# Altium PCB iMX6 Rex Dev BB Template_PCB.PcbDoc
Units mm, origin at the board's own origin, x right, y up, seen from the top; angles counter-clockwise.
Board outline 135 x 110 mm, 6 copper layers (L1, L2, L3, L4 (PWR), L5, L6), stack 1.542 mm thick; 12 components, 114 nets, 146 pads, 0 vias.
Unrouted connection lines stored in the file: 23.
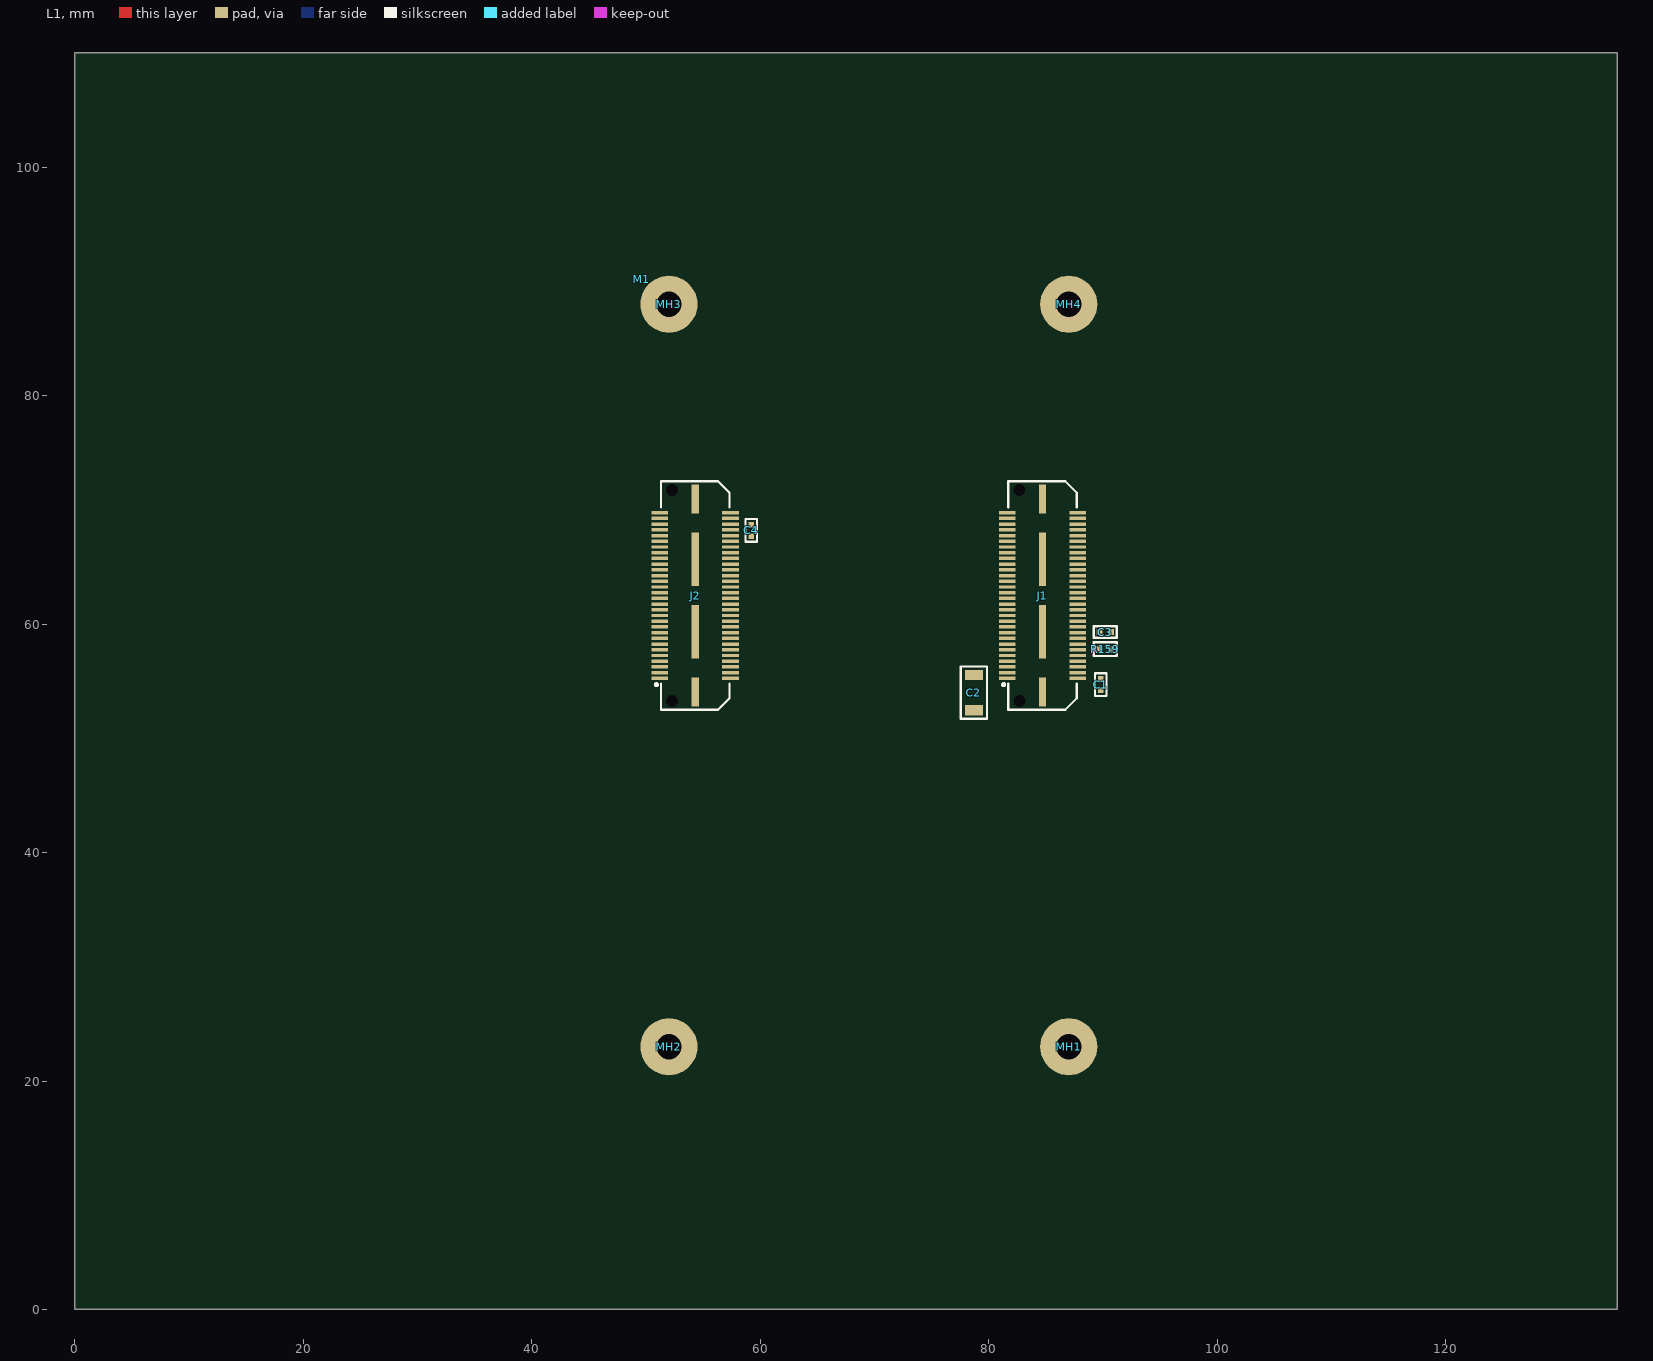
[diagram p0: L1 view]
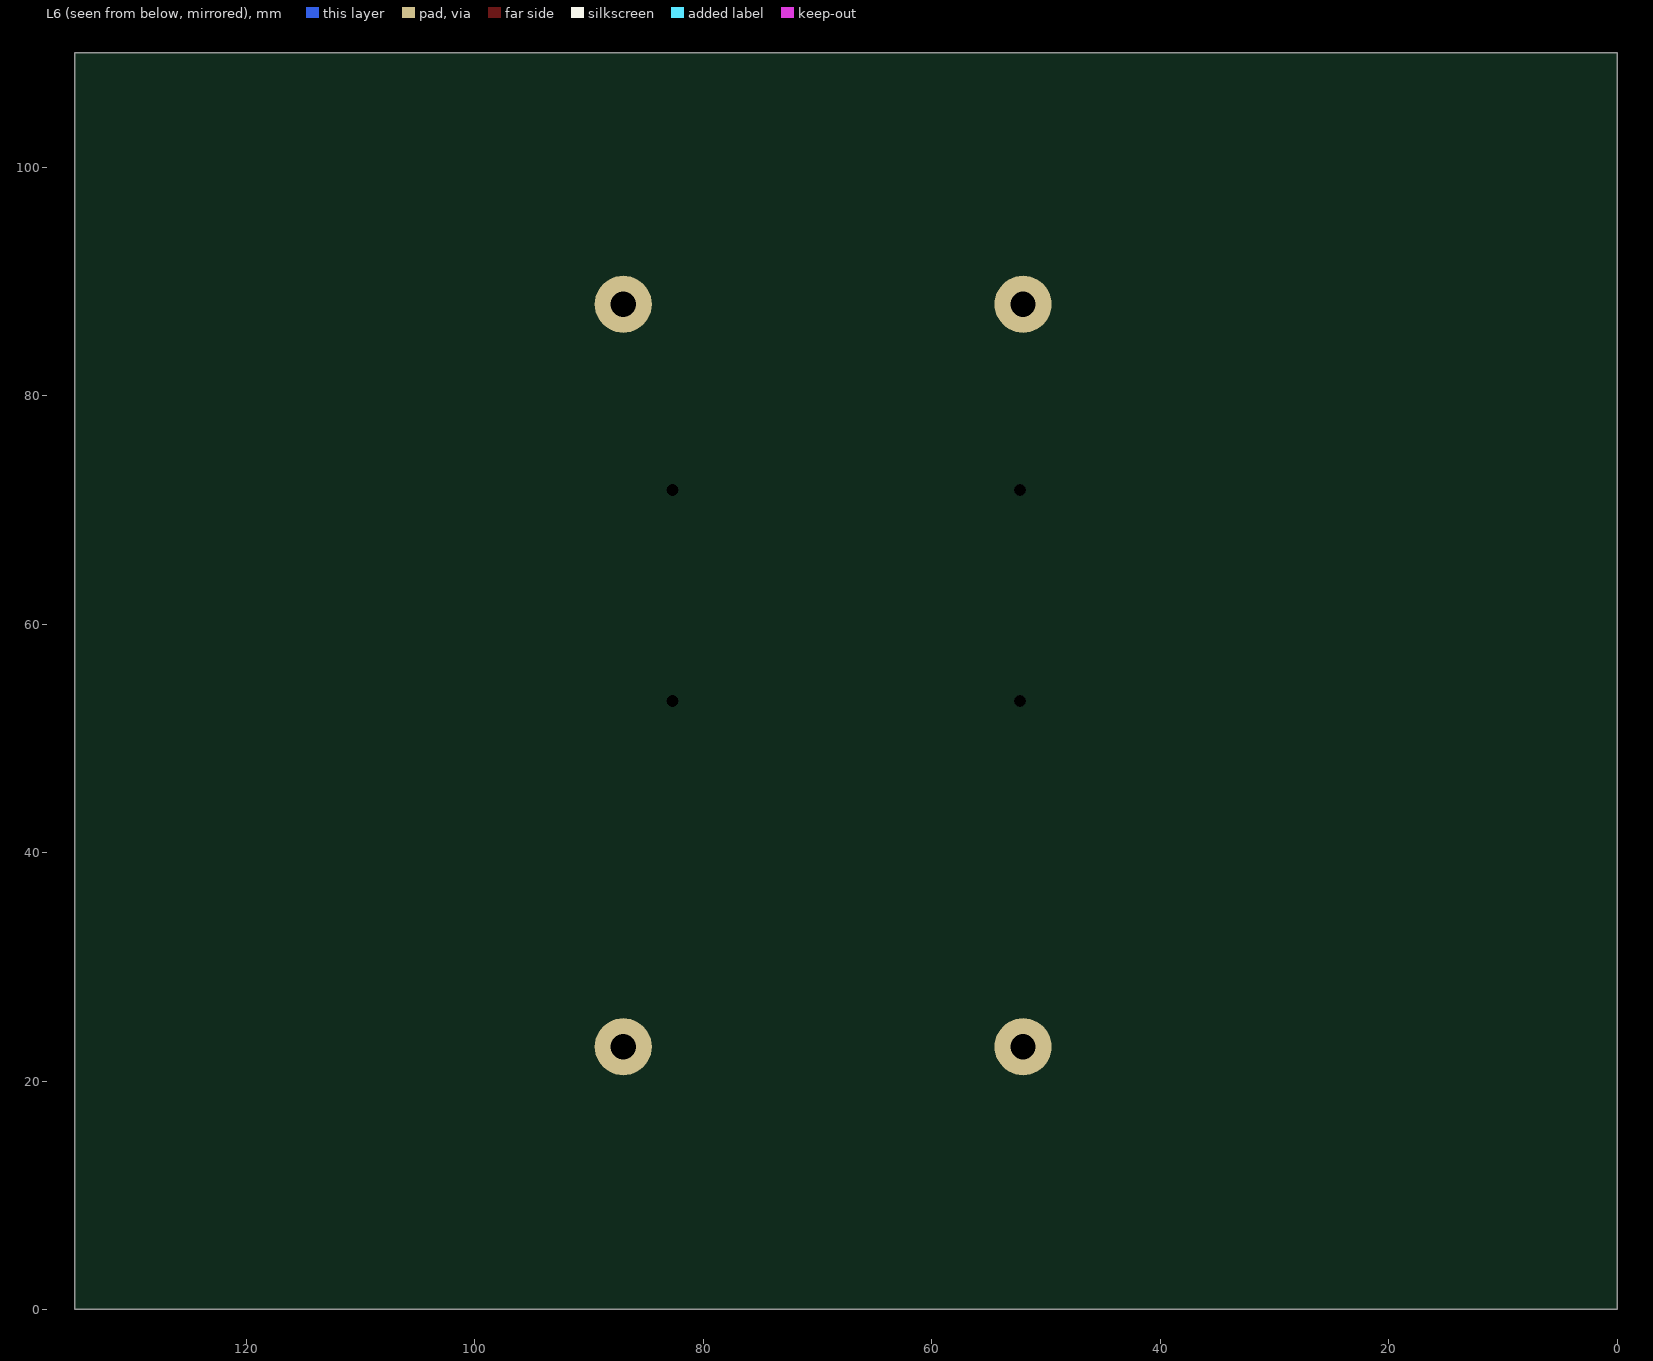
[diagram p1: L6 view, seen from below]
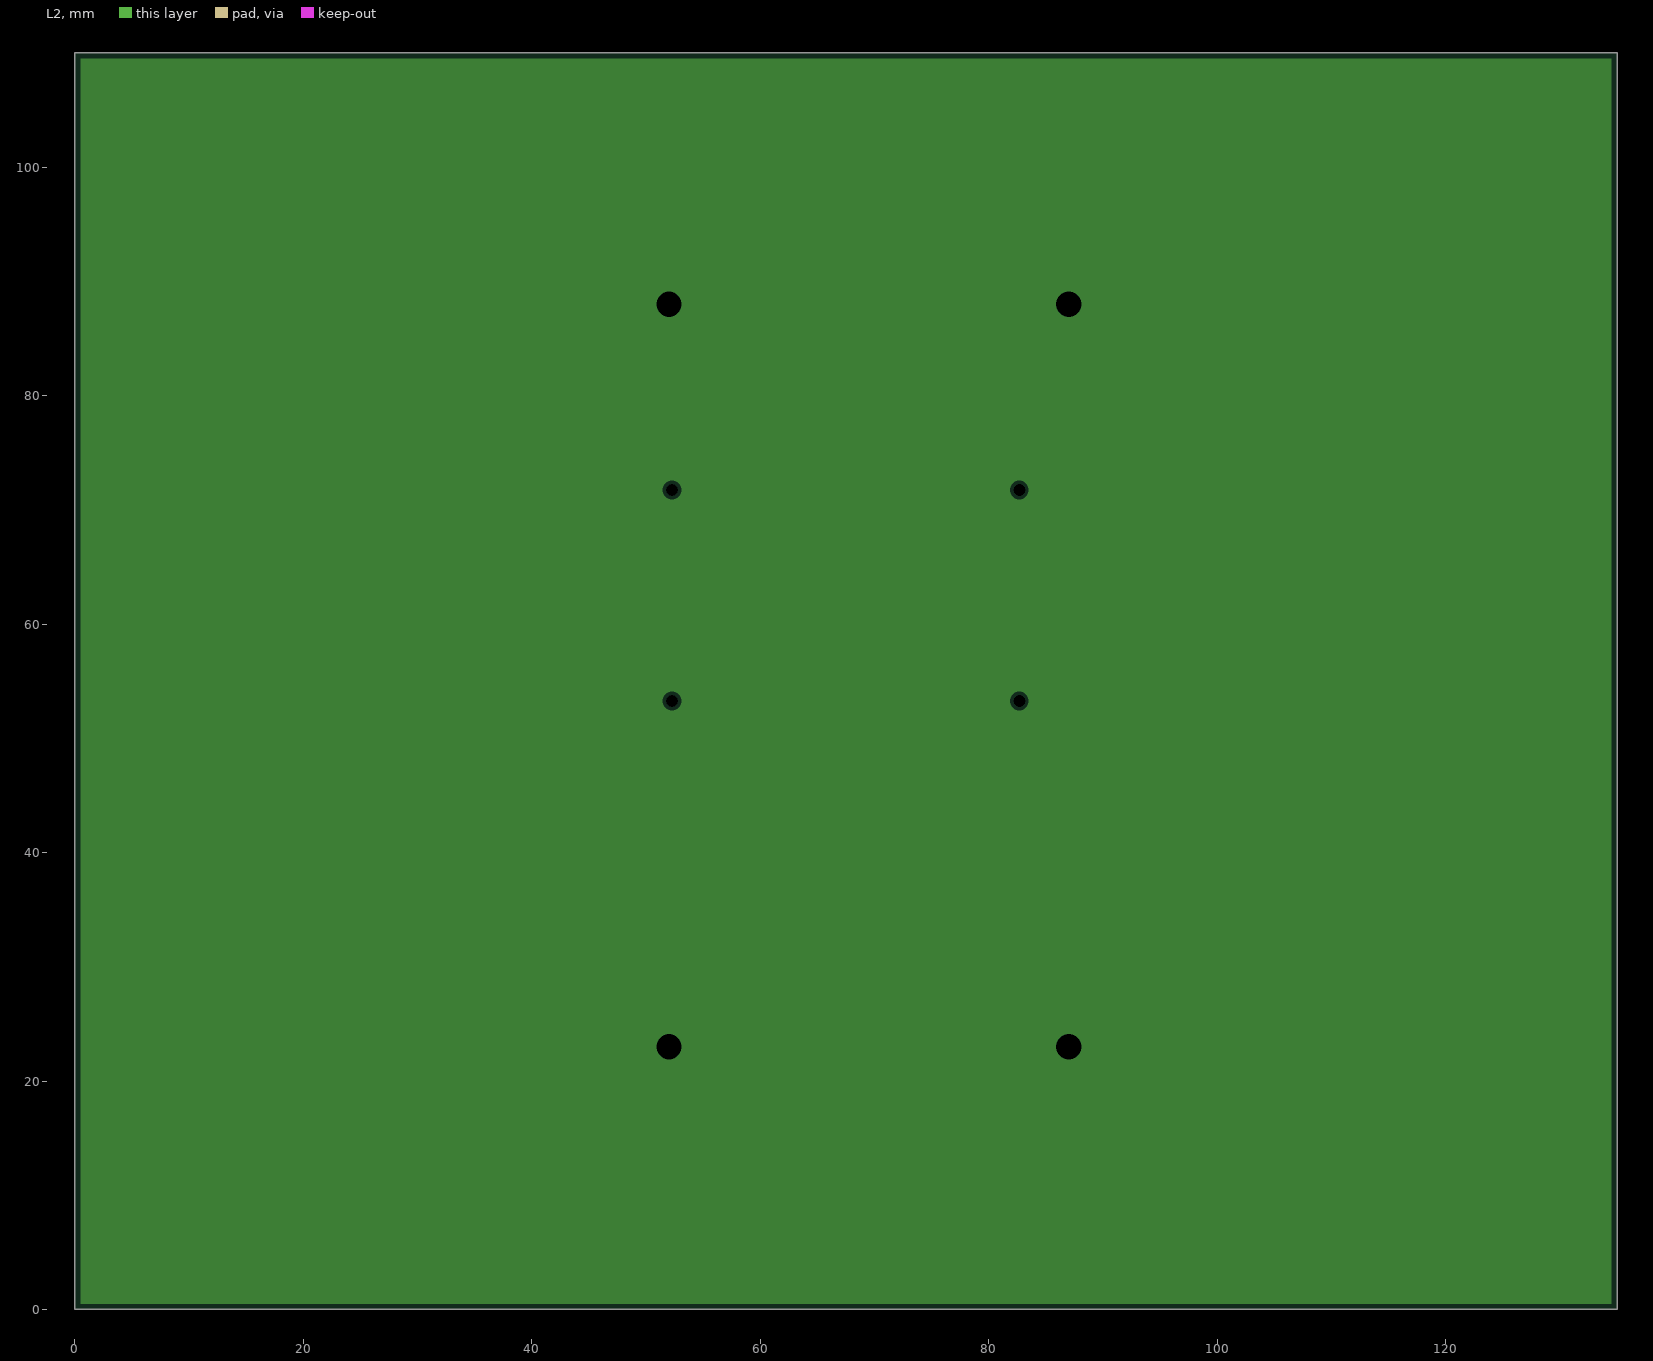
[diagram p2: L2, clearances drawn from the general rule]
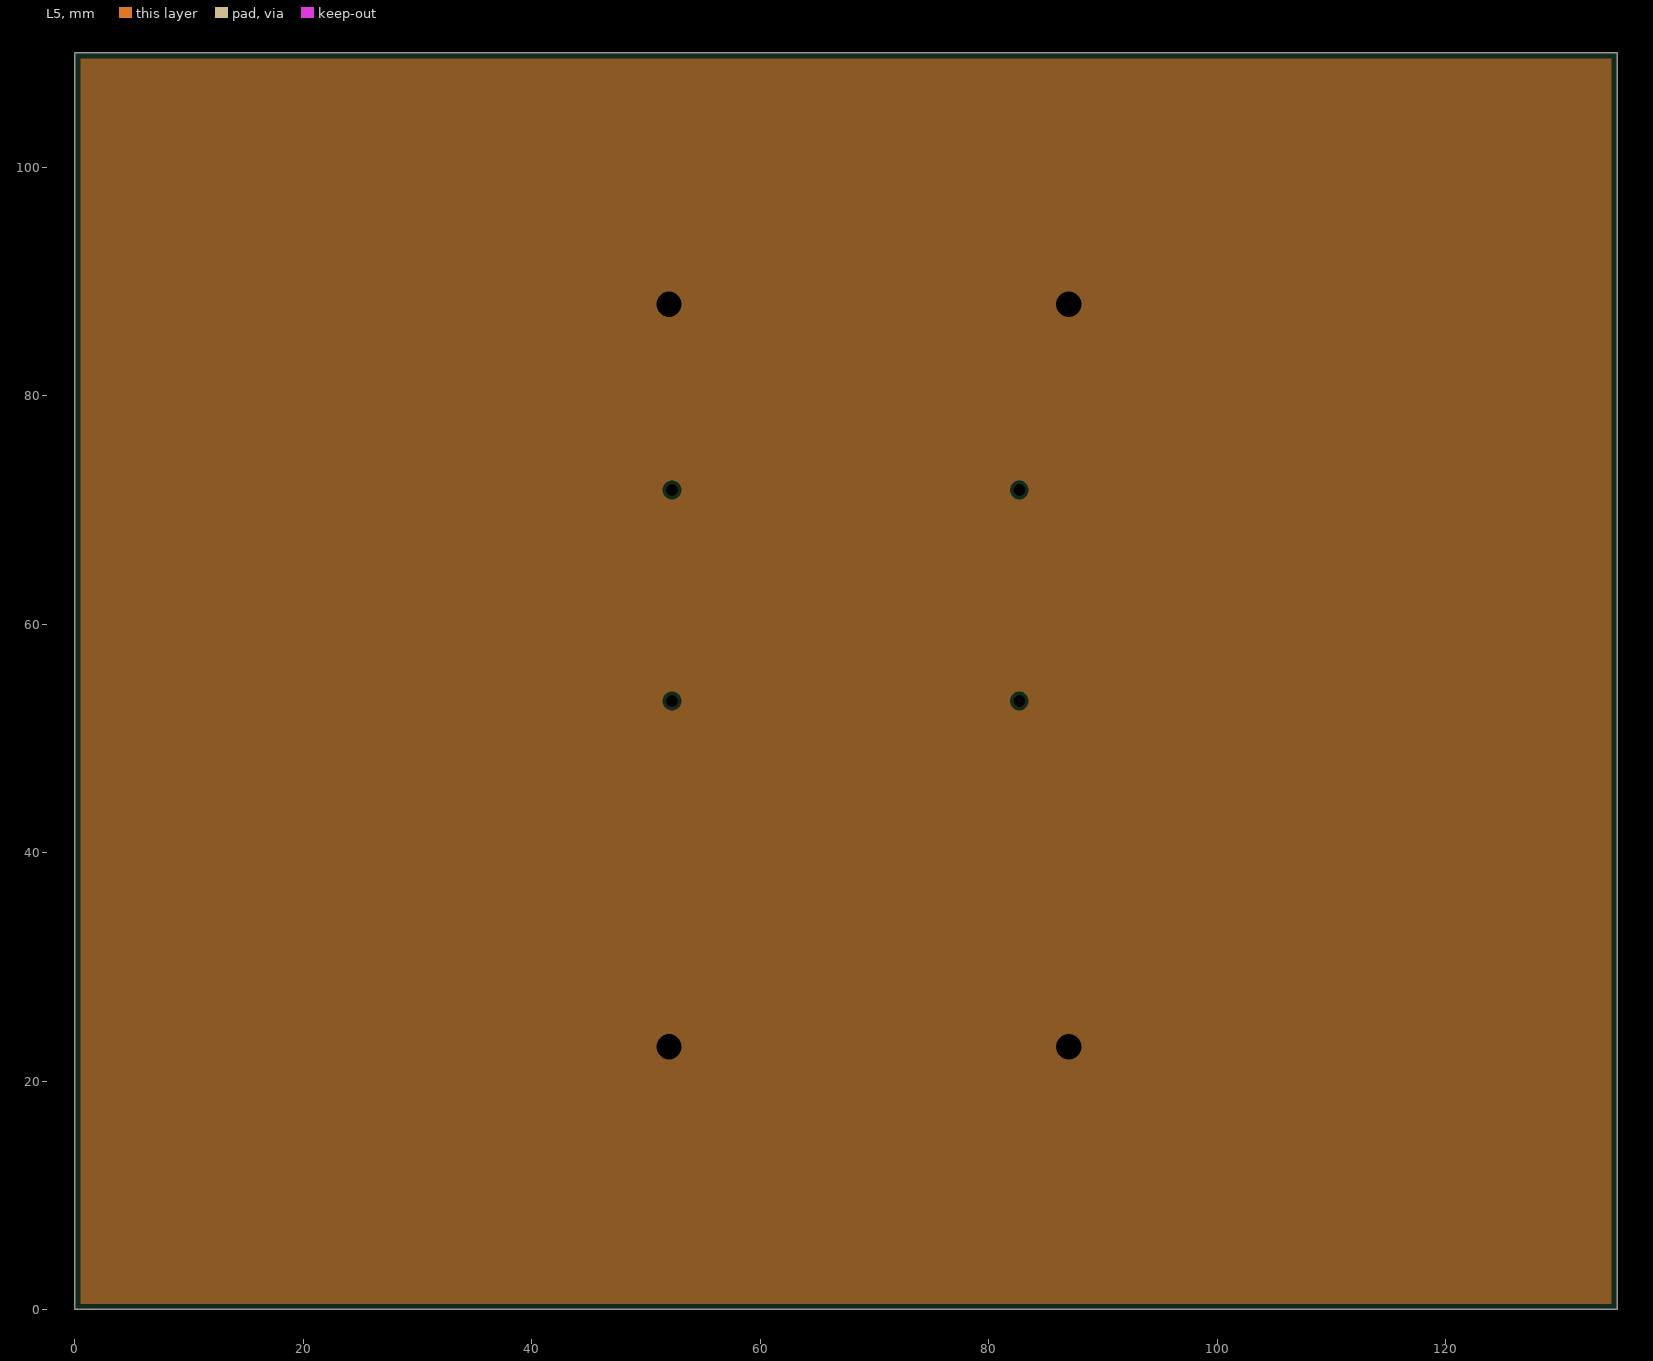
[diagram p3: L5, clearances drawn from the general rule]

## Layer stack, top to bottom
L1: signal copper 0.018
Dielectric: core 0.1725, DE 104 ML, Dk 4.4
L2: plane copper 0.018, net GND
Dielectric: prepreg 0.196, DE 104 ML, Dk 4.4
L3: signal copper 0.018
Dielectric: core 0.697, DE 104 ML, Dk 4.4
L4 (PWR): signal copper 0.018
Dielectric: prepreg 0.196, DE 104 ML, Dk 4.4
L5: plane copper 0.018, net GND
Dielectric: core 0.1725, DE 104 ML, Dk 4.4
L6: signal copper 0.018

## Board outline
0,110 0,0 135,0 135,110 0,110

## Design rules (kind name [scope] priority, off if disabled: settings)
Clearance "Poly PWR to Via" [IsRegion AND OnLayer('L4 (PWR)') vs IsVia] p1: gap=0.15
Clearance "Poly to Poly" [IsRegion AND OnLayer('L4 (PWR)') vs IsRegion] p2: gap=0.4
Clearance [All] p3: gap=0.15
ComponentClearance "MH5 to FID4" [All] p1: gap=0 collisioncheckmode=3 verticalgap=0 showdistances=FALSE
ComponentClearance "DB9 to FID1" [InComponent('J30') vs InComponent('FID1')] p2: gap=0 collisioncheckmode=3 verticalgap=0 showdistances=FALSE
ComponentClearance "3D model Module" [InComponent('M1') vs InComponent('J1') or InComponent('J2')] p3: gap=0 collisioncheckmode=3 verticalgap=0 showdistances=FALSE
ComponentClearance "3D model mPCIe 1 to Battery" [InComponent('CR1') vs InComponent('J32')] p4: gap=0 collisioncheckmode=3 verticalgap=0 showdistances=FALSE
ComponentClearance "CFAST locker" [InComponent('CFAST1') vs InComponent('J15')] p5: gap=0 collisioncheckmode=3 verticalgap=0 showdistances=FALSE
ComponentClearance "3D model mPCIe 2" [InComponent('CR2') vs InComponent('J9') or InComponent('J8')] p6: gap=0 collisioncheckmode=3 verticalgap=0 showdistances=FALSE
ComponentClearance "3D model mPCIe 1" [InComponent('CR1') vs InComponent('J4') or InComponent('J6')] p7: gap=0 collisioncheckmode=3 verticalgap=0 showdistances=FALSE
ComponentClearance "res SATA_TX_P" [InComponent('R42') vs InComponent('R43')] p8: gap=0 collisioncheckmode=3 verticalgap=0.254 showdistances=FALSE
ComponentClearance "res SATA_TX_N" [InComponent('R40') vs InComponent('R41')] p9: gap=0 collisioncheckmode=3 verticalgap=0.254 showdistances=FALSE
ComponentClearance "res SATA_RX_P" [InComponent('R38') vs InComponent('R39')] p10: gap=0 collisioncheckmode=3 verticalgap=0.254 showdistances=FALSE
ComponentClearance "res SATA_RX_N" [InComponent('R36') vs InComponent('R37')] p11: gap=0 collisioncheckmode=3 verticalgap=0.254 showdistances=FALSE
ComponentClearance "res USB1_P" [InComponent('R68') vs InComponent('R69')] p12: gap=0 collisioncheckmode=3 verticalgap=0.254 showdistances=FALSE
ComponentClearance "res USB1_N" [InComponent('R64') vs InComponent('R66')] p13: gap=0 collisioncheckmode=3 verticalgap=0.254 showdistances=FALSE
ComponentClearance "res USB0_P" [InComponent('R65') vs InComponent('R67')] p14: gap=0 collisioncheckmode=3 verticalgap=0.254 showdistances=FALSE
ComponentClearance "res USB0_N" [InComponent('R62') vs InComponent('R63')] p15: gap=0 collisioncheckmode=3 verticalgap=0.254 showdistances=FALSE
ComponentClearance "res PCIE_TX_P" [InComponent('R14') vs InComponent('R16')] p16: gap=0 collisioncheckmode=3 verticalgap=0.254 showdistances=FALSE
ComponentClearance "res PCIE_TX_N" [InComponent('R10') vs InComponent('R12')] p17: gap=0 collisioncheckmode=3 verticalgap=0.254 showdistances=FALSE
ComponentClearance "res PCIE_RX_P" [InComponent('R8') vs InComponent('R9')] p18: gap=0 collisioncheckmode=3 verticalgap=0.254 showdistances=FALSE
ComponentClearance "res PCIE_RX_N" [InComponent('R5') vs InComponent('R7')] p19: gap=0 collisioncheckmode=3 verticalgap=0.254 showdistances=FALSE
ComponentClearance "res CLK_P" [InComponent('R3') vs InComponent('R4')] p20: gap=0 collisioncheckmode=3 verticalgap=0.254 showdistances=FALSE
ComponentClearance "res CLK_N" [InComponent('R2') vs InComponent('R1')] p21: gap=0 collisioncheckmode=3 verticalgap=0.254 showdistances=FALSE
ComponentClearance [All] p22: gap=0.2 collisioncheckmode=3 verticalgap=0.2 showdistances=FALSE
DiffPairsRouting DiffPair_DIFF100DiffPairsRouting [InDifferentialPairClass('DIFF100')] p1: maxlimit=0.501 minlimit=0.399 mostfreqgap=0.5 toplayer_maxgap=0.401 toplayer_prefgap=0.4 midlayer1_mingap=0.499 midlayer2_mingap=0.4 midlayer2_maxgap=0.4 midlayer2_prefgap=0.4 bottomlayer_maxgap=0.401 bottomlayer_prefgap=0.4 maxuncoupledlength=18.7
DiffPairsRouting DiffPair_DIFF90DiffPairsRouting [InDifferentialPairClass('DIFF90')] p2: maxlimit=0.251 minlimit=0.199 mostfreqgap=0.25 toplayer_maxgap=0.201 toplayer_prefgap=0.2 midlayer1_mingap=0.249 midlayer2_mingap=0.2 midlayer2_maxgap=0.2 midlayer2_prefgap=0.2 bottomlayer_maxgap=0.201 bottomlayer_prefgap=0.2 maxuncoupledlength=7.8
DiffPairsRouting [All] p3: maxlimit=0.2 minlimit=0.2 mostfreqgap=0.2 maxuncoupledlength=12.7
HoleSize [All] p1: absolutevalues=TRUE maxlimit=10 minlimit=0.2 maxpercent=80.000 minpercent=20.000
MatchedLengths DiffPair_DIFF100MatchedLengths [InDifferentialPairClass('DIFF100')] p1: tolerance=0.127 checknetsindiffpair=TRUE checkdiffpairvsdiffpair=FALSE checkothers=FALSE
MatchedLengths DiffPair_DIFF90MatchedLengths [InDifferentialPairClass('DIFF90')] p2: tolerance=0.127 checknetsindiffpair=TRUE checkdiffpairvsdiffpair=FALSE checkothers=FALSE
MinimumSolderMaskSliver [All] p1: minsoldermaskwidth=0.1
PlaneClearance [All] p1: clearance=0.3
PlaneConnect "GND to PAD" [(InNet('GND') and IsPad)] p1: planeconnectstyle=Relief reliefexpansion=0.3 reliefentries=4 reliefconductorwidth=0.5 reliefairgap=0.2
PlaneConnect [All] p2: planeconnectstyle=Direct reliefexpansion=0.2 reliefentries=4 reliefconductorwidth=0.3 reliefairgap=0.2
PolygonConnect [All] p1: connectstyle=Direct reliefconductorwidth=0.254 reliefentries=4 polygonreliefangle="90 Angle" airgapwidth=0.254
RoutingVias [All] p1: holewidth=0.2 width=0.45 viastyle="Through Hole" minholewidth=0.2 minwidth=0.45 maxholewidth=0.5 maxwidth=1
ShortCircuit "J15-H3 to J15-H4" [(Name = 'J15-H3') vs (Name = 'J15-H4')] p1: allowed=TRUE
ShortCircuit "J15-H1 to J15-H2" [(Name = 'J15-H1') vs (Name = 'J15-H2')] p2: allowed=TRUE
ShortCircuit [All] p3: allowed=FALSE
SilkToSilkClearance [All] p1: silktosilkclearance=0.1
SilkscreenOverComponentPads [All] p1: minsilkscreentomaskgap=0.1
SolderMaskExpansion [All] p1: expansion=0.102
Width DiffPair_DIFF100Width [InDifferentialPairClass('DIFF100')] p1: maxlimit=0.25 minlimit=0.2 preferedwidth=0.25 toplayer_minwidth=0.25 midlayer1_maxwidth=0.2 midlayer1_prefwidth=0.2 midlayer2_minwidth=0.25 bottomlayer_minwidth=0.25 minimp=50.000000 maximp=50.000000 favimp=50.000000
Width DiffPair_DIFF90Width [InDifferentialPairClass('DIFF90')] p2: maxlimit=0.25 minlimit=0.2 preferedwidth=0.25 toplayer_minwidth=0.25 midlayer1_maxwidth=0.2 midlayer1_prefwidth=0.2 midlayer2_minwidth=0.25 bottomlayer_minwidth=0.25 minimp=50.000000 maximp=50.000000 favimp=50.000000
Width "Width Power" [InNet('+VIN') OR InNet('+5V') OR InNet('+3V3') OR InNet('+1V5') OR InNet('+12V_ATX')] p3: maxlimit=4 minlimit=0.2 preferedwidth=0.4
Width "Width Ground" [InNet('GND')] p4: maxlimit=40 minlimit=0.2 preferedwidth=0.4
Width [All] p5: maxlimit=2 minlimit=0.2 preferedwidth=0.25
19 further rules are at their usual default settings.

## Classes and differential pairs
net class uSD2: SD2_DATA4 SD2_DATA5 SD2_DATA6 SD2_DATA7
differential pair class DIFF90: MPCIE1_RX MPCIE1_TX PCIE_CON_RX PCIE_CON_TX PCIE_RX PCIE_TX USB0 USB1 USB1_CON USB1_L USB_MPCIE1 USB_MPCIE1_CON USB_MPCIE2 USB_MPCIE2_CON USB_OTG USB_OTG_CON USB_UP USBDN1 USBDN1_CON USBDN2 USBDN2_CON USBDN3 USBDN3_CON
differential pair class DIFF100: CLK1 HDMI_CLK HDMI_D0 HDMI_D1 HDMI_D2 LVDS0_CLK LVDS0_TX0 LVDS0_TX1 LVDS0_TX2 LVDS0_TX3 MPCIE1_CLK1 MX0 MX1 MX2 MX3 PCIE_CON_CLK1 SATA_CFAST_RX SATA_CFAST_TX SATA_CON_RX SATA_CON_TX SATA_RX SATA_TX TRD0 TRD1 TRD2 TRD3

## Components (designator, comment, footprint, x,y, rotation, side; value= is the part's Value field where it differs from the comment)
C1 "100n" C0402 89.8,54.7 r90 top
C2 "10uF" C1206 78.7,54 r270 top
C3 "100n" C0402 90.2,59.3 r0 top
C4 "1u" C0402 59.2,68.2 r90 top
J1 "QTH-030-01-L-D-A" QTH-030-01-L-D-A 84.7,62.5 r180 top
J2 "QTH-030-01-L-D-A" QTH-030-01-L-D-A 54.3,62.5 r180 top
M1 "iMX6 Rex Module V1I1 3D" "IMX6 REX MODULE 3D" 49.6,90.2 r270 top
MH1 "MH_5MMC_2.2MMD" MH_5MMD_2.2MMD 87,23 r0 top
MH2 "MH_5MMC_2.2MMD" MH_5MMD_2.2MMD 52,23 r0 top
MH3 "MH_5MMC_2.2MMD" MH_5MMD_2.2MMD 52,88 r0 top
MH4 "MH_5MMC_2.2MMD" MH_5MMD_2.2MMD 87,88 r0 top
R159 "0R" R0402 90.2,57.8 r0 top

## Footprints (in the part's own frame and the unit in brackets; to place one, negate y for a bottom-side part, rotate by r counter-clockwise, add the part's x,y. Pads: shape width x height; smd on the part's side, far side on the other; paste and mask are expansions set on the pad)
C0402 [mm]
  rect 0.5x0.5 smd: 1(-0.5,0) 2(0.5,0)
  silkscreen extent -1,-0.5 1,0.5, body extent -0.5,-0.25 0.5,0.25, height 0.56
C1206 [mm]
  rect 0.9x1.6 smd: 1(-1.55,0) 2(1.55,0)
  silkscreen extent -2.29,-1.14 2.29,1.14, body extent -1.6,-0.8 1.6,0.8, height 1.8
"IMX6 REX MODULE 3D" [mm] ".Creator MM"
  body extent 0,0 70,40, height 9.6
MH_5MMD_2.2MMD [mm]
  round 5 / inner round 3.683 / far side round 5 hole 2.2: 1(0,0)
QTH-030-01-L-D-A [mm]
  rect 1.45x0.3 smd mask+0.025: 1(3.09,7.25) 2(-3.09,7.25) 3(3.09,6.75) 4(-3.09,6.75) 5(3.09,6.25) 6(-3.09,6.25) 7(3.09,5.75) 8(-3.09,5.75) 9(3.09,5.25) 10(-3.09,5.25) 11(3.09,4.75) 12(-3.09,4.75) 13(3.09,4.25) 14(-3.09,4.25) 15(3.09,3.75) 16(-3.09,3.75) 17(3.09,3.25) 18(-3.09,3.25) 19(3.09,2.75) 20(-3.09,2.75) 21(3.09,2.25) 22(-3.09,2.25) 23(3.09,1.75) 24(-3.09,1.75) 25(3.09,1.25) 26(-3.09,1.25) 27(3.09,0.75) 28(-3.09,0.75) 29(3.09,0.25) 30(-3.09,0.25) 31(3.09,-0.25) 32(-3.09,-0.25) 33(3.09,-0.75) 34(-3.09,-0.75) 35(3.09,-1.25) 36(-3.09,-1.25) 37(3.09,-1.75) 38(-3.09,-1.75) 39(3.09,-2.25) 40(-3.09,-2.25) 41(3.09,-2.75) 42(-3.09,-2.75) 43(3.09,-3.25) 44(-3.09,-3.25) 45(3.09,-3.75) 46(-3.09,-3.75) 47(3.09,-4.25) 48(-3.09,-4.25) 49(3.09,-4.75) 50(-3.09,-4.75) 51(3.09,-5.25) 52(-3.09,-5.25) 53(3.09,-5.75) 54(-3.09,-5.75) 55(3.09,-6.25) 56(-3.09,-6.25) 57(3.09,-6.75) 58(-3.09,-6.75) 59(3.09,-7.25) 60(-3.09,-7.25)
  rect 0.64x2.54 smd mask+0.025: 61(0,8.445) 64(0,-8.445)
  rect 0.64x4.7 smd mask+0.025: 62(0,3.175) 63(0,-3.175)
  round 0 hole 1.05 unplated: 65(2.03,-9.24) 66(2.03,9.24)
  silkscreen extent -3,-10 3.5,10, body extent -3.55,-10 3.56,10, height 4.26
R0402 [mm]
  rect 0.5x0.6 smd: 1(-0.5,0) 2(0.5,0)
  silkscreen extent -1,-0.6 1,0.6, body extent -0.5,-0.25 0.5,0.25, height 0.4

## Part data
C1 C3: library part C1005X5R1H104K, "CAP CER .10UF 50V X5R 10% 0402"
C2: library part GRM31CR6YA106KA12L, "CAP CER 10UF 35V X5R 1206"
C4: library part C1005X5R1C105K, "CAP CER 1.0UF 16V X5R 0402"
J1 J2: "CONN HEADER HS .5MM 60POS DL AU"
M1: library part 3D_iMX6_REX_MODULE_V1I1, "Printed Circuit Board"
MH1 MH2 MH3 MH4: "Mounting Hole 5mm Diameter, 2.2mm Drill"
R159: library part RC0402JR-070RL, "RES 0.0 OHM 1/16W 0402 SMD"

## Nets (pads, with @x,y where several pads share a name; then routed paths per layer and width w, separated by ;. In a path a pad name is that pad's centre, name@x,y a point inside that pad or via, vN(x,y) a via of type N, cw(c..) or ccw(c..) an arc to the next point about the centre after c; other vN are vias at no path point)
+3V3_MODULE: C4.1 J2.50
+5V: R159.2
+5V_USB_VBUS: C3.1 J1.18 R159.1
+VIN: C1.1 C2.1 J1.1 J1.2 J1.3 J1.4 J1.5
AUD3_CLK: J2.20
AUD3_RXD: J2.22
AUD3_TXC: J2.16
AUD3_TXD: J2.18
AUD3_TXFS: J2.24
BOOT_MODE: J1.50
CLK1_N: J2.46
CLK1_P: J2.48
CPU_INT: J1.37
CSPI2_CLK: J1.17
CSPI2_CS0: J1.19
CSPI2_MISO: J1.21
CSPI2_MOSI: J1.23
ENET_LED_LINK: J1.56
ENET_LED_RX: J1.55
GND: C1.2 C2.2 C3.2 C4.2 J1.61 J1.62 J1.63 J1.64 J2.55 J2.56 J2.61 J2.62 J2.63 J2.64 MH1.1 MH2.1 MH3.1 MH4.1
HDMI_CEC_IN: J1.44
HDMI_CLK_N: J1.45
HDMI_CLK_P: J1.47
HDMI_D0_N: J1.39
HDMI_D0_P: J1.41
HDMI_D1_N: J1.46
HDMI_D1_P: J1.48
HDMI_D2_N: J1.40
HDMI_D2_P: J1.42
HDMI_HPD: J1.43
I2C1_SCL: J2.14
I2C1_SDA: J2.12
I2C2_SCL: J1.36
I2C2_SDA: J1.38
I2C3_SCL: J2.19
I2C3_SDA: J2.17
JTAG_NTRST: J2.41
JTAG_TCK: J2.43
JTAG_TDI: J2.47
JTAG_TDO: J2.45
JTAG_TMS: J2.49
LVDS0_CABC: J2.6
LVDS0_CLK_N: J2.13
LVDS0_CLK_P: J2.15
LVDS0_PWM: J2.5
LVDS0_TX0_N: J2.2
LVDS0_TX0_P: J2.4
LVDS0_TX1_N: J2.8
LVDS0_TX1_P: J2.10
LVDS0_TX2_N: J2.1
LVDS0_TX2_P: J2.3
LVDS0_TX3_N: J2.7
LVDS0_TX3_P: J2.9
ON_OFF: J1.6
PCIE_RX_N: J2.52
PCIE_RX_P: J2.54
PCIE_TX_N: J2.51
PCIE_TX_P: J2.53
PCIE_WAKE: J2.39
SATA_RX_N: J2.58
SATA_RX_P: J2.60
SATA_TX_N: J2.57
SATA_TX_P: J2.59
SD2_ACT: J2.11
SD2_CD: J2.38
SD2_CLK: J2.36
SD2_CMD: J2.21
SD2_DATA0: J2.26
SD2_DATA1: J2.23
SD2_DATA2: J2.28
SD2_DATA3: J2.25
SD2_DATA4: J2.30
SD2_DATA5: J2.27
SD2_DATA6: J2.32
SD2_DATA7: J2.29
SD2_WP: J2.34
SD3_CD: J1.34
SD3_CLK: J1.27
SD3_CMD: J1.33
SD3_DATA0: J1.29
SD3_DATA1: J1.30
SD3_DATA2: J1.31
SD3_DATA3: J1.32
SD3_WP: J1.25
SYS_POKN: J1.8
SYS_RSTN: J1.7
TRD0_N: J1.57
TRD0_P: J1.59
TRD1_N: J1.51
TRD1_P: J1.53
TRD2_N: J1.58
TRD2_P: J1.60
TRD3_N: J1.52
TRD3_P: J1.54
TSC_INT: J1.35
UART1_CTS: J1.11
UART1_DCD: J1.16
UART1_DSR: J1.9
UART1_DTR: J1.15
UART1_RI: J1.10
UART1_RTS: J1.13
UART1_RXD: J1.14
UART1_TXD: J1.12
UART2_CTS: J2.31
UART2_RTS: J2.33
UART2_RXD: J2.35
UART2_TXD: J2.37
USB0_ID: J1.20
USB0_N: J1.22
USB0_P: J1.24
USB1_N: J2.40
USB1_P: J2.42
USB1_PWR_EN: J2.44
USB_OC: J1.28
pads on no net: J1.26 J1.49 J1.65 J1.66 J2.65 J2.66

## Polygon pours and split planes (outlines as drawn)
GND on L2 (split plane): 134.498,0.502 0.502,0.502 0.502,109.498 134.498,109.498
GND on L5 (split plane): 134.498,0.502 0.502,0.502 0.502,109.498 134.498,109.498

## Silkscreen, mask and mechanical layers (free items; w line width, h text height)
Mechanical Drawing:
  circle w0.35: c87,88 r1.1
  circle w0.35: c52,88 r1.1
  circle w0.35: c52,23 r1.1
  circle w0.35: c87,23 r1.1

## Dimensions
88.1,23 to 88.1,88 on Mechanical Drawing
87,88 to 85,84 on Mechanical Drawing
52,88 to 55.5,84.5 on Mechanical Drawing
52,23 to 55.5,26 on Mechanical Drawing
87,23 to 84,26 on Mechanical Drawing
52,89.1 to 87,89.1 on Mechanical Drawing